# KiCad board keyboard.kicad_pcb (continued)
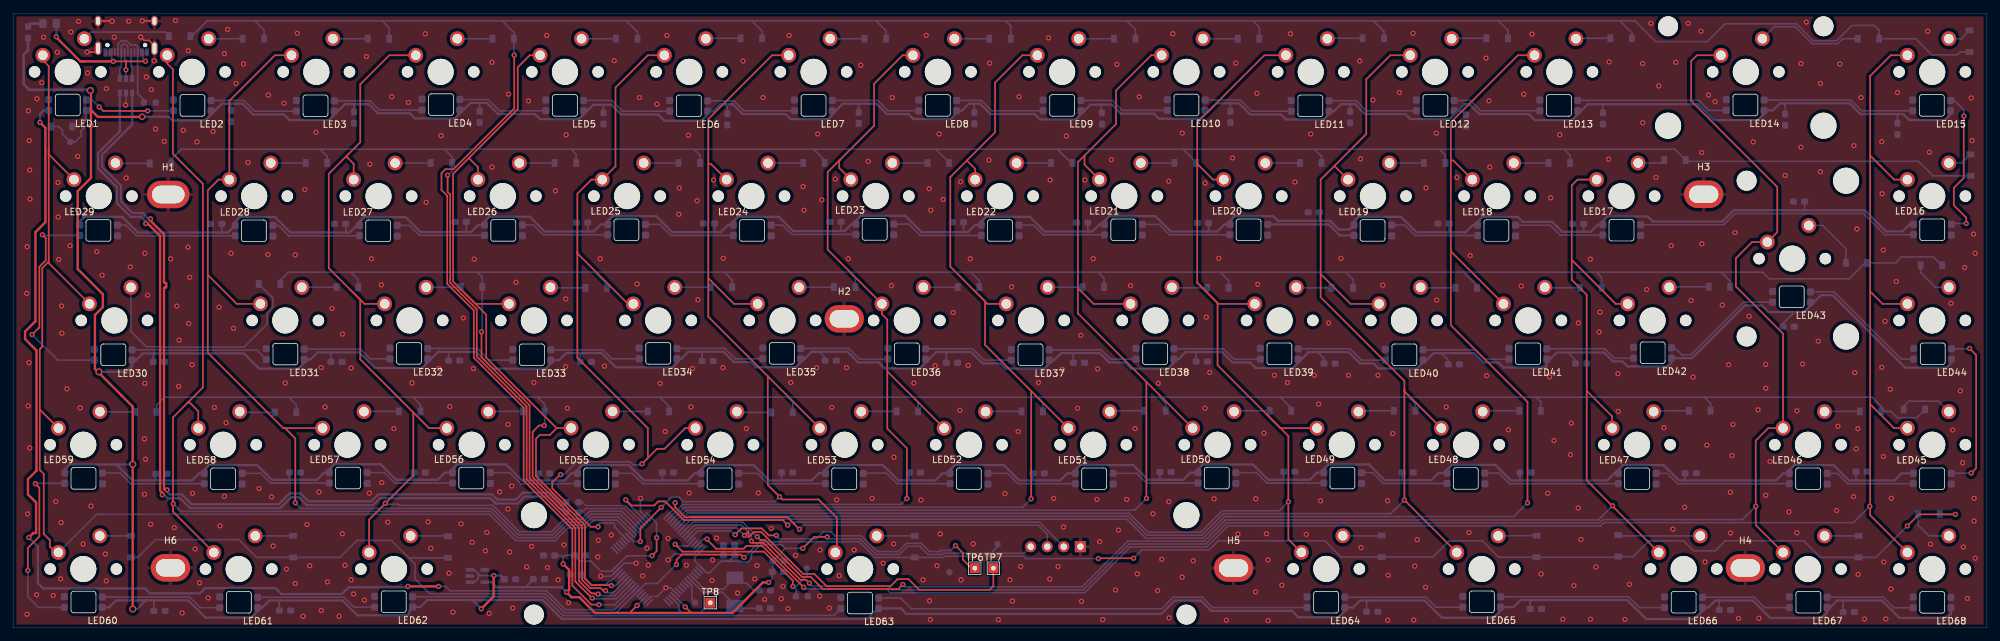
[diagram p0: board, top side]
## Routing (per net, layer and track width the routed paths; a pad name or vN(x,y) marks a point on that pad's centre or on a via; arc(x,y) is an arc through that point) (continued)
BOOT0: length 30
  Top w0.25: v1(119.51,6.36) 119.51,7.25 115.06,11.7 102.59,11.7 v1(101.47,12.81)
  Bottom w0.25: R4.2 120.02,4.89 120.02,5.85 v1(119.51,6.36) 120.02,6.36 121.64,7.98 TP2.1 ; U3.60 103.36,12.56 101.73,12.56 v1(101.47,12.81)
col0: length 192
  Top w0.25: 5.46,73.42 5.46,72.59 K_15.1 ; 5.46,73.42 5.46,86.12 4.57,87.01 4.57,87.77 ; 5.46,73.42 5.46,56.15 ; 4.1,33.48 4.1,42.72 4.48,43.11 4.48,55.17 5.46,56.15 ; 4.1,33.48 4.1,24.21 4.71,23.6 4.71,14.4 5.65,13.46 5.65,12.47 6.55,11.57 K_59.1 ; 4.1,33.48 K_44.1 ; 5.46,56.15 5.46,55.92 K_30.1
  Bottom w0.25: K_59.1 12.8,17.41 73.02,17.41 77.04,13.39 83.08,13.39 85.01,15.32 87.73,15.32 88.94,16.53 92.53,16.53 U3.40
col1: length 163
  Top w0.25: K_1.1 23.62,86.5 24.51,85.61 24.51,72.66 29.08,68.08 29.08,36.84 26.8,34.56 ; v1(24.56,19.04) 24.51,19.09 24.51,19.52 ; 26.8,34.56 27.05,34.56 28.38,33.22 K_45.1 ; 26.8,34.56 24.51,32.27 24.51,19.52 ; 24.51,19.52 24.51,17.82 K_60.1
  Bottom w0.25: U3.41 92.79,16.98 88.75,16.98 87.55,15.77 84.83,15.77 82.9,13.84 77.22,13.84 73.21,17.86 25.74,17.86 v1(24.56,19.04)
col2: length 154.4
  Top w0.25: 41.4,30.62 29.85,42.18 29.85,54.11 ; 41.4,30.62 41.68,30.62 43.26,29.04 v1(43.26,19.19) ; 41.4,30.62 K_46.1 ; 29.85,54.11 29.85,67.07 31.5,68.72 K_16.1 33.15,80.78 40.13,87.77 K_2.1 ; 29.85,54.11 34.29,49.67 K_31.1
  Bottom w0.25: U3.42 93.05,17.43 88.56,17.43 87.36,16.22 84.64,16.22 82.71,14.29 77.41,14.29 73.39,18.31 44.13,18.31 v1(43.26,19.19)
col3: length 151.5
  Top w0.25: 51.69,51.83 53.85,49.67 K_32.1 ; 51.69,51.83 48.39,55.13 48.39,69.61 51.18,72.4 ; 51.69,51.83 53.21,50.3 53.21,41.16 61.34,33.03 ; 61.34,33.03 61.34,23.38 v1(57.06,19.1) 54.58,16.62 K_61.1 ; 61.34,33.03 63.75,30.62 K_47.1 ; 51.18,72.4 51.18,72.15 52.2,71.13 K_17.1 ; 51.18,72.4 53.21,74.43 53.21,83.32 57.66,87.77 K_3.1
  Bottom w0.25: U3.43 93.31,17.88 88.38,17.88 87.17,16.67 84.46,16.67 82.52,14.74 77.6,14.74 73.56,18.78 59.23,18.78 59.05,18.96 57.2,18.96 v1(57.06,19.1)
col4: length 119.3
  Top w0.25: v1(91.69,6.49) 91.62,6.56 88.7,6.56 87.64,7.62 87.64,15.75 80.14,23.26 80.14,28.99 80.72,29.58 82.27,29.58 83.31,30.62 ; 69.85,72.02 77.34,79.51 77.34,85.93 79.18,87.77 K_4.1 ; 69.85,72.02 71.25,70.62 K_18.1 ; 69.85,72.02 67.44,69.61 67.44,53.1 69.09,51.45 ; 69.09,51.45 70.87,49.67 K_33.1 ; 69.09,51.45 72.52,48.02 72.52,41.41 83.31,30.62 ; 83.31,30.62 85.53,30.62
  Bottom w0.25: U3.28 92.34,6.49 v1(91.69,6.49)
col5: length 128.6
  Top w0.25: 97.16,25.92 97.28,26.05 97.28,30.62 86.49,41.41 86.49,57.67 ; 97.16,25.92 98.68,27.44 99.82,27.44 103,30.62 K_49.1 ; 97.16,25.92 v1(96.4,25.16) ; K_5.1 97.28,87.77 92.33,82.82 92.33,70.75 K_19.1 88.65,68.72 86.49,66.56 86.49,57.67 ; 86.49,57.67 86.49,57.42 94.23,49.67 K_34.1 ; v1(89.66,15.51) 88.53,15.51 82.64,21.39 82.64,22.31 83.83,23.5 v1(83.92,23.5)
  Bottom w0.25: U3.38 92.2,15.45 92.2,15.89 92.01,16.08 89.92,16.08 89.66,15.82 v1(89.66,15.51) ; v1(83.92,23.5) 83.94,23.5 83.96,23.48 84.4,23.48 86.38,25.46 94.56,25.46 95.04,24.98 96.22,24.98 v1(96.4,25.16)
col6: length 146.6
  Top w0.25: v1(99.34,18.47) 96.14,15.27 96.14,14.24 96.14,14.23 v1(96.14,13.25) ; 106.55,53.61 110.49,49.67 K_35.1 ; 106.55,53.61 106.55,71.13 ; 106.55,53.61 106.55,47.7 115.67,38.59 ; K_62.1 126.25,11.81 126.25,16.89 123.45,19.69 117.9,19.69 115.67,21.92 115.67,38.59 ; K_6.1 116.33,87.77 106.55,77.99 106.55,71.13 ; 115.67,38.59 K_50.1 ; K_20.1 106.93,71.13 106.55,71.13
  Bottom w0.25: U3.39 95.11,13.25 v1(96.14,13.25) ; v1(117.47,20.11) 116.73,19.37 102.76,19.37 102.1,20.03 100.9,20.03 v1(99.34,18.47)
col7: length 133.1
  Top w0.25: 133.99,39.32 133.99,30.54 136.98,27.55 v1(136.98,19.82) ; 133.99,39.32 K_51.1 ; 133.99,39.32 133.99,47.26 133.16,48.08 K_36.1 124.84,57.99 124.84,69.86 126.75,71.77 ; 126.75,71.77 131.95,76.97 131.95,83.39 136.33,87.77 K_7.1 ; 126.75,71.77 126.62,71.64 126.62,70.5 K_21.1
  Bottom w0.25: U3.50 102.65,18.92 126.54,18.92 126.55,18.94 136.09,18.94 v1(136.98,19.82)
col8: length 153.8
  Top w0.25: K_37.1 149.35,49.67 147.19,51.83 ; 156.04,36.31 K_52.1 ; 156.04,36.31 148.97,43.38 148.97,50.05 147.19,51.83 ; 156.04,36.31 156.04,19.8 v1(156.03,19.8) ; 146.18,71.64 147.45,70.37 K_22.1 ; 146.18,71.64 143.64,69.1 143.64,55.38 147.19,51.83 ; 146.18,71.64 150.5,75.96 150.5,83.58 154.69,87.77 K_8.1
  Bottom w0.25: U3.51 102.91,18.47 126.72,18.47 126.74,18.49 154.72,18.49 v1(156.03,19.8)
col9: length 176.2
  Top w0.25: 173.69,37.71 K_53.1 ; 173.69,37.71 173.69,19.87 v1(173.71,19.85) ; 173.69,37.71 163.2,48.21 163.2,52.08 ; 163.2,52.08 165.61,49.67 K_38.1 ; 163.2,52.08 163.2,71.39 164.21,72.4 ; K_23.1 164.21,71.01 164.21,72.4 ; K_9.1 174.43,87.77 169.04,82.37 169.04,77.23 164.21,72.4
  Bottom w0.25: U3.52 103.17,18.02 126.91,18.02 126.92,18.04 171.9,18.04 v1(173.71,19.85)
col10: length 212
  Top w0.25: 192.12,32.75 184.6,40.27 184.6,49.8 181.52,52.88 ; 192.12,32.75 194.25,30.62 K_54.1 ; 192.12,32.75 195.45,29.41 195.45,19.49 ; 181.48,71.13 181.48,77.48 191.77,87.77 K_10.1 ; 181.48,71.13 181.48,52.91 181.52,52.88 ; 181.48,71.13 183.9,68.72 K_24.1 ; 181.52,52.88 184.72,49.67 K_39.1 ; 195.45,19.49 v1(195.45,19.34) ; 195.45,19.49 195.45,13.57 197.45,11.57
  Bottom w0.25: v1(195.45,19.34) 194.08,17.97 185.32,17.97 182.02,14.67 173.94,14.67 171.04,17.57 103.42,17.57 U3.53
col11: length 229.8
  Top w0.25: K_11.1 211.07,87.77 207.39,84.09 207.39,75.7 202.56,70.88 ; K_40.1 204.98,49.67 200.4,54.25 ; K_64.1 v1(213.23,19.6) 213.23,36.59 ; K_25.1 202.56,70.75 202.56,70.88 ; 202.56,70.88 200.4,68.71 200.4,54.25 ; 213.23,36.59 213.23,36.27 K_55.1 ; 213.23,36.59 213.23,37.86 200.4,50.69 200.4,54.25
  Bottom w0.25: U3.54 103.68,17.12 170.85,17.12 173.75,14.22 182.2,14.22 185.5,17.52 211.13,17.52 211.74,18.13 211.76,18.13 v1(213.23,19.6)
col12: length 230.3
  Top w0.25: K_41.1 220.34,57.73 220.34,58 ; 220.34,71.64 220.73,71.64 K_26.1 ; 220.34,71.64 220.34,58 ; 220.34,71.64 220.34,77.48 230.63,87.77 K_12.1 ; 220.34,58 220.34,46.39 232.11,34.63 v1(232.11,19.19)
  Bottom w0.25: v1(232.11,19.19) 229.99,17.07 185.69,17.07 182.39,13.77 173.57,13.77 170.66,16.67 103.94,16.67 U3.55
col13: length 237.6
  Top w0.25: 245.11,18.68 241.17,22.62 241.17,36.33 ; 245.11,18.68 245.11,18.71 v1(245.14,18.73) ; 245.11,18.68 K_65.1 ; 238.89,56.4 238.89,67.83 239.78,68.72 K_27.1 ; 238.89,56.4 238.89,53.35 241.17,51.07 241.17,36.33 ; 238.89,56.4 245.62,49.67 K_42.1 ; 241.17,36.33 245.08,32.43 K_56.1 ; v1(114.05,13.98) 114.54,13.49 115.25,13.49 120.9,7.83 122.23,7.83 124.1,5.96 124.85,5.96 124.86,5.96 135.67,5.96 v1(136.37,6.67)
  Bottom w0.25: v1(245.14,18.73) 242.95,16.55 185.81,16.55 182.58,13.32 170.86,13.32 163.84,6.3 136.74,6.3 v1(136.37,6.67) ; U3.56 104.2,16.22 111.81,16.22 v1(114.05,13.98)
col14: length 272.1
  Top w0.25: K_13.1 258.06,87.77 257.17,86.88 257.17,80.78 270.38,67.58 270.38,60.67 K_28.1 266.52,59.14 264.03,56.65 264.03,52.34 271.27,45.1 K_57.1 268.99,30.62 267.08,28.71 v1(267.08,18.63) 267.08,15.76 K_66.1 ; v1(113.16,13.31) 113.43,13.04 114.99,13.04 120.65,7.38 121.54,7.38 v1(122.05,6.87)
  Bottom w0.25: v1(113.16,13.31) 113.16,14.23 111.62,15.77 104.45,15.77 U3.57 ; v1(122.05,6.87) 122.49,6.43 134.04,6.43 134.63,5.85 164.03,5.85 171.05,12.86 182.76,12.86 185.99,16.1 243.14,16.1 243.64,16.6 265.05,16.6 v1(267.08,18.63)
col15: length 293.2
  Top w0.25: 284.61,72.4 284.61,84.59 287.78,87.77 K_14.1 ; 284.61,72.4 288.29,68.72 K_29.1 ; 284.61,72.4 284.61,51.57 ; 284.61,34.3 284.61,18.68 ; 284.61,34.3 284.61,51.57 ; 284.61,34.3 288.29,30.62 K_58.1 ; 284.61,18.68 284.61,17.28 K_67.1 ; 284.61,18.68 v1(284.56,18.63) ; v1(106.35,13.63) 106.35,13.55 107.75,12.15 111.96,12.15 112.4,12.59 114.81,12.59 v1(121.16,6.24) ; 284.61,51.57 286.51,49.67 K_43.1
  Bottom w0.25: v1(121.16,6.24) 121.41,5.98 133.86,5.98 134.44,5.4 164.21,5.4 171.23,12.41 182.95,12.41 186.18,15.65 243.32,15.65 243.82,16.15 255.59,16.15 255.6,16.14 263.12,16.14 263.13,16.15 282.07,16.15 v1(284.56,18.63) ; v1(106.35,13.63) 105.81,13.63 104.64,12.46
D+: length 134.3
  Top w0.35: v1(23.61,21.16) 23.29,21.16 23.13,21.32 23.13,52.01 23.14,52.05 23.15,52.08 23.17,52.11 23.2,52.14 23.23,52.16 23.26,52.17 23.34,52.18 23.37,52.19 23.4,52.21 23.43,52.24 23.45,52.27 23.46,52.31 23.47,52.34 23.47,52.71 23.46,52.75 23.45,52.78 23.43,52.81 23.4,52.84 23.37,52.86 23.34,52.87 23.26,52.88 23.23,52.89 23.2,52.91 23.17,52.94 23.15,52.97 23.14,53.01 23.13,53.04 23.13,60.33 21.07,62.4 v1(21.07,62.71)
  Bottom w0.35: R3.1 84.35,18.8 84.15,18.8 82.22,20.73 78.13,20.73 77.07,19.67 74.23,19.67 74.01,19.88 73.42,20.48 55.98,20.48 54.92,19.41 45.26,19.41 44.04,20.63 42.37,20.63 40.7,18.96 27.38,18.96 25.86,20.48 23.97,20.48 23.61,20.84 v1(23.61,21.16) ; U1.1 18.26,77.16 13.63,72.53 13.63,70.7 16.53,67.8 16.53,65.36 18.29,63.61 19.86,63.61 20.75,62.71 v1(21.07,62.71)
D-: length 134.4
  Top w0.35: v1(20.33,61.97) 20.65,61.97 22.53,60.09 22.53,21.07 22.87,20.74 v1(22.87,20.42)
  Bottom w0.35: R2.2 84.35,18.2 83.9,18.2 81.97,20.13 78.38,20.13 77.31,19.07 73.98,19.07 73.77,19.28 73.17,19.88 56.23,19.88 55.16,18.81 45.01,18.81 43.79,20.03 42.62,20.03 40.95,18.36 27.13,18.36 25.61,19.88 23.73,19.88 23.19,20.42 v1(22.87,20.42) ; v1(20.33,61.97) 20.33,62.29 19.61,63.01 18.04,63.01 15.93,65.11 15.93,67.55 13.04,70.45 13.04,72.78 16.36,76.11 U1.3
LED-IN: length 174.4
  Top w0.35: v1(4.13,77.48) 4.96,76.65 4.96,62.19 3.43,60.65 3.43,47 1.84,45.41 1.84,44.27 3.6,42.52 3.6,24.12 2.29,22.81 2.29,20.46 3.53,19.21 3.53,14.55 3.11,14.55 v1(2.41,13.86) ; v1(60.52,6.36) v1(65.21,6.36)
  Bottom w0.25: v1(65.21,6.36) 66.32,6.36 66.99,5.69 81.77,5.69 84.65,2.81 92.2,2.81 U3.23
  Bottom w0.35: LED1.3 4.7,79.32 4.13,78.75 v1(4.13,77.48) ; v1(60.52,6.36) 60.39,6.24 51.43,6.24 50.4,5.2 41.11,5.2 40.2,6.11 29.45,6.11 28.64,5.3 21,5.3 20.24,6.06 4.62,6.06 3.81,6.87 3.81,12.46 v1(2.41,13.86)
MCU-D+: length 11.1
  Bottom w0.2: U3.45 96.42,16.15 93.81,18.75 87.76,18.75 87.22,19.29 R3.2
MCU-D-: length 10.7
  Bottom w0.2: R2.1 87.17,17.72 87.76,18.3 93.62,18.3 96.1,15.83 U3.44
NRST: length 3.6
  Bottom w0.25: U3.7 103.42,7.06 104.06,6.41 104.06,4.33 TP3.1
OSC_IN: length 12.5
  Bottom w0.25: C70.1 113.51,5.75 112.34,6.92 111.38,6.92 Y1.1 108.88,5.94 108.87,5.95 105.94,5.95 U3.5
OSC_OUT: length 11.9
  Bottom w0.25: C71.1 111.07,3.01 ; U3.6 105.69,5.5 108.69,5.5 110.62,3.57 Y1.2
row0: length 429.6
  Top w0.25: v1(76.81,87.79) 76.81,79.62 67.51,70.32 66.27,70.32 65.66,69.71 65.66,67.12 66.52,66.26 66.53,66.26 66.54,66.25 66.54,52.73 70.62,48.65 70.62,41.4 78.25,33.77 78.25,22.6 85.72,15.12 85.72,6.49 88.65,3.57 v1(89.79,3.57)
  Bottom w0.25: D_6.1 133.79,91.52 132.27,93.04 ; 94.04,93.04 94.04,92.98 95.69,91.33 D_4.1 ; 94.04,93.04 113.22,93.04 ; 94.04,93.04 74.99,93.04 ; 152.15,93.04 170.69,93.04 ; 152.15,93.04 132.27,93.04 ; 152.15,93.04 152.91,92.28 D_7.1 ; 170.69,93.04 172.02,91.71 D_8.1 ; 170.69,93.04 189.99,93.04 ; 189.99,93.04 208.47,93.04 ; 189.99,93.04 191.01,92.03 D_9.1 ; 208.47,93.04 210.12,91.39 D_10.1 ; 208.47,93.04 227.65,93.04 ; D_12.1 248.09,91.2 246.25,93.04 ; 56.58,93.04 74.99,93.04 ; 56.58,93.04 37.08,93.04 ; 56.58,93.04 57.66,91.96 D_2.1 ; 74.99,93.04 76.77,91.26 D_3.1 76.77,87.83 v1(76.81,87.79) ; 227.65,93.04 246.25,93.04 ; 227.65,93.04 229.11,91.58 D_11.1 ; 113.22,93.04 132.27,93.04 ; 113.22,93.04 114.81,91.45 D_5.1 ; 37.08,93.04 29.72,93.04 27.37,90.69 27.3,90.69 ; 37.08,93.04 38.48,91.64 D_1.1 ; U3.24 92.25,3.57 v1(89.79,3.57) ; 246.25,93.04 248.6,93.04 251.78,89.86 259.65,89.86 262.38,92.6 273.3,92.6 275.91,89.99 279.46,89.99 281.81,92.34 285.24,92.34 286,91.58 D_13.1 291.59,90.31 294.07,87.83 297.94,87.83 298.39,88.28 D_14.1
row1: length 391.2
  Top w0.25: v1(88.77,4.58) 88.72,4.58 86.18,7.12 86.18,15.31 78.7,22.78 78.7,33.95 71.07,41.59 71.07,48.83 66.99,52.91 66.99,66.43 66.6,66.82 v1(66.6,69.38)
  Bottom w0.25: D_24.1 200.53,72.3 199.47,73.37 ; 237.69,73.37 254.68,73.37 D_27.1 256.53,71.51 292.04,71.51 294.26,69.29 D_29.1 ; 237.69,73.37 218.58,73.37 ; 237.69,73.37 238.63,72.43 D_26.1 ; 199.47,73.37 218.58,73.37 ; 199.47,73.37 179.31,73.37 ; 218.58,73.37 219.52,72.43 D_25.1 ; v1(66.6,69.38) 67.31,70.09 67.31,72.17 66.12,73.37 ; D_22.1 162.18,71.26 160.07,73.37 ; D_21.1 143.44,71.35 141.43,73.37 ; 179.31,73.37 181.29,71.39 D_23.1 ; 179.31,73.37 160.07,73.37 ; 160.07,73.37 141.43,73.37 ; D_15.1 24.26,71.83 25.79,73.37 47.04,73.37 ; 141.43,73.37 122.7,73.37 ; 47.04,73.37 48.13,72.28 D_16.1 ; 47.04,73.37 66.12,73.37 ; D_19.1 105.28,72.43 104.34,73.37 ; 85.52,73.37 86.29,72.59 D_18.1 ; 85.52,73.37 66.12,73.37 ; 85.52,73.37 104.34,73.37 ; 122.7,73.37 124.4,71.67 D_20.1 ; 122.7,73.37 104.34,73.37 ; v1(88.77,4.58) 88.9,4.46 92.43,4.46 U3.25
row2: length 354.1
  Top w0.25: v1(89.67,5.18) 89.2,5.18 89.07,5.31 88.63,5.31 86.74,7.19 86.74,15.38 79.15,22.97 79.15,34.14 71.79,41.5 v1(71.79,45.4)
  Bottom w0.25: D_42.1 263.17,53.15 261.8,54.52 ; 242.65,54.52 243.46,53.71 D_41.1 ; 242.65,54.52 222.33,54.52 ; 242.65,54.52 261.8,54.52 ; D_33.1 91.03,52.67 89.18,54.52 ; D_39.1 205.36,53.4 204.24,54.52 ; 109.04,54.52 110.21,53.35 D_34.1 ; 109.04,54.52 128.19,54.52 ; 109.04,54.52 89.18,54.52 ; 222.33,54.52 204.24,54.52 ; 222.33,54.52 224.36,52.49 D_40.1 ; D_38.1 186.31,53.25 185.04,54.52 ; 166.29,54.52 167.21,53.61 D_37.1 ; 166.29,54.52 185.04,54.52 ; 166.29,54.52 146.79,54.52 ; D_43.1 295.58,55.59 294.31,56.86 289.43,56.86 288.52,55.94 D_28.1 283.79,55.94 281.36,53.5 269.16,53.5 268.15,54.52 261.8,54.52 ; D_30.1 40.96,53.29 42.19,54.52 53.12,54.52 ; 185.04,54.52 204.24,54.52 ; 71.15,54.52 71.91,53.76 D_32.1 71.91,45.52 v1(71.79,45.4) ; 71.15,54.52 89.18,54.52 ; 71.15,54.52 53.12,54.52 ; 128.19,54.52 146.79,54.52 ; 128.19,54.52 129.11,53.61 D_35.1 ; 146.79,54.52 148.08,53.23 D_36.1 ; D_31.1 52.91,53.35 51.74,54.52 53.12,54.52 ; U3.26 92.23,4.97 89.88,4.97 v1(89.67,5.18)
row3: length 344.9
  Top w0.25: v1(81.41,31.03) 80.59,31.03 79.63,30.06 79.63,23.13 87.19,15.57 87.19,7.38 88.46,6.11 90.05,6.11 90.44,5.73 v1(90.81,5.73)
  Bottom w0.25: 213.89,35.37 233.4,35.37 ; 213.89,35.37 194.23,35.37 ; 213.89,35.37 214.93,34.33 D_54.1 ; 233.4,35.37 234.14,34.63 D_55.1 ; 233.4,35.37 259.21,35.37 ; 175.69,35.37 176.66,34.4 D_52.1 ; 175.69,35.37 194.23,35.37 ; 175.69,35.37 156.95,35.37 ; D_45.1 43.41,34.2 42.24,35.37 ; D_53.1 195.88,33.72 194.23,35.37 ; 118.75,35.37 137.74,35.37 ; 118.75,35.37 99.14,35.37 ; 118.75,35.37 119.51,34.61 D_49.1 ; 137.74,35.37 137.95,35.37 138.71,34.61 D_50.1 ; 137.74,35.37 156.95,35.37 ; 156.95,35.37 157.83,34.48 D_51.1 ; 61.29,35.37 62.43,34.23 D_46.1 ; 61.29,35.37 80.39,35.37 ; 61.29,35.37 42.24,35.37 ; 99.14,35.37 100.56,33.95 D_48.1 ; 99.14,35.37 80.39,35.37 ; v1(81.41,31.03) 81.46,31.08 D_47.1 81.46,34.3 80.39,35.37 ; v1(90.81,5.73) 91.12,5.42 91.98,5.42 U3.27 ; 42.24,35.37 23.19,35.37 22,34.17 D_44.1 ; 259.21,35.37 260.15,34.43 D_56.1 ; 259.21,35.37 284.91,35.37 286.33,33.95 D_57.1 287.81,33.18 288.77,32.22 291.77,32.22 D_58.1
row4: length 314.1
  Top w0.25: v1(297.69,17.41) 292.1,17.41 v1(290.32,15.63) ; v1(112.01,10.81) 111.58,11.25 102.5,11.25 101.68,10.43 v1(101.68,9.71) ; v1(166.34,10.63) 166.4,10.68 v1(171.73,10.68)
  Bottom w0.25: v1(166.34,10.63) 155.22,10.63 154.86,10.99 142.82,10.99 142.64,10.81 D_62.1 132.08,10.81 129.67,13.22 114.43,13.22 v1(112.01,10.81) ; D_67.1 295.35,17.41 v1(297.69,17.41) ; v1(171.73,10.68) 173.01,11.96 183.33,11.96 184.71,13.35 201.04,13.35 203.52,10.87 D_63.1 217.61,10.87 220.09,13.35 225.17,13.35 227.68,10.83 D_64.1 245.9,10.83 D_65.1 248.28,10.93 250.7,13.35 256.03,13.35 257.56,11.82 260.86,11.82 262.38,13.35 274.45,13.35 276.99,10.81 D_66.1 285.5,10.81 v1(290.32,15.63) ; 60.64,10.74 57.98,13.41 52.71,13.41 50.1,10.81 D_60.1 37.34,10.81 34.61,13.54 21.84,13.54 19.12,10.81 D_59.1 ; 60.64,10.74 60.71,10.68 60.73,10.68 61.6,9.82 61.6,7.53 63.89,5.24 81.59,5.24 84.47,2.36 92.45,2.36 U3.22 96.92,6.82 98.73,6.82 101.63,9.71 v1(101.68,9.71) ; 60.64,10.74 D_61.1
SCL: length 56.9
  Top w0.25: v1(112.09,14.19) 112.7,14.79 112.7,13.88 113.53,14.71 114.66,14.71 121.09,8.28 122.81,8.28 124.67,6.41 134.49,6.41 135.56,7.48 137.24,7.48 138.86,5.85 149.68,5.85 150.24,6.41 TP7.1
  Bottom w0.25: v1(112.09,14.19) 110.95,15.32 104.71,15.32 U3.58
SDA: length 50.6
  Top w0.25: TP6.1 146.89,9.16 145.57,10.48 145.57,11.49 v1(144.45,12.61) ; v1(116.97,14.19) 115.82,14.19 114.75,15.25 111.63,15.25 v1(110.67,14.29)
  Bottom w0.25: U3.59 104.97,14.87 109.98,14.87 110.57,14.29 v1(110.67,14.29) ; v1(144.45,12.61) 143.73,11.89 142.2,11.89 142.01,11.71 140.42,11.71 139.16,12.97 136.91,12.97 135.65,11.71 132.45,11.71 130.04,14.12 128.13,14.12 125.92,14.12 125.3,14.74 124.18,14.74 123.11,13.67 117.38,13.67 116.97,14.08 v1(116.97,14.19)
SWCLK: length 64.4
  Top w0.25: v1(120.52,15.12) 119.63,16.01 119.63,16.04 118.71,16.97 103,16.97 101.47,18.5 v1(101.47,19.19)
  Bottom w0.25: U3.49 101.47,18.45 v1(101.47,19.19) ; J2.3 158.5,14.36 157.1,15.76 121.16,15.76 v1(120.52,15.12)
SWDIO: length 75.4
  Top w0.25: v1(118.74,15.76) 117.97,16.52 102.81,16.52 99.94,19.39 98.89,19.39 98.27,18.77 94.77,18.77 v1(93.9,19.64)
  Bottom w0.25: U3.46 93.9,19.41 v1(93.9,19.64) ; v1(118.74,15.76) 119.2,16.22 157.27,16.22 J2.2
TIM2_1: length 7.9
  Bottom w0.25: TP8.1 105.34,2.36 102.43,2.36 102.03,2.76 102.03,3.5 U3.14
VCAP: length 7.2
  Bottom w0.25: U3.30 91.65,7.21 91.39,7.21 90.74,6.57 88.57,6.57 87.12,8.01
Net-(D1-Pad2): length 2.5
  Bottom w0.425: D1.2 2.77,92.63 F1.2
Net-(D_0-Pad2): length 13.8
  Bottom w0.25: K_0.2 11.94,91.33 23.37,91.33 24.01,90.69
Net-(D_1-Pad2): length 5.2
  Bottom w0.25: K_1.2 D_1.2
Net-(D_2-Pad2): length 5.3
  Bottom w0.25: 49.02,90.31 D_2.2
Net-(D_3-Pad2): length 5.4
  Bottom w0.25: K_3.2 D_3.2
Net-(D_4-Pad2): length 5.3
  Bottom w0.25: D_4.2 K_4.2
Net-(D_5-Pad2): length 5.4
  Bottom w0.25: K_5.2 106.24,90.37 D_5.2
Net-(D_6-Pad2): length 5.3
  Bottom w0.25: D_6.2 K_6.2
Net-(D_7-Pad2): length 5.3
  Bottom w0.25: D_7.2 144.27,90.31
Net-(D_8-Pad2): length 5.4
  Bottom w0.25: D_8.2 K_8.2
Net-(D_9-Pad2): length 5.3
  Bottom w0.25: D_9.2 K_9.2
Net-(D_10-Pad2): length 5.4
  Bottom w0.25: D_10.2 201.49,90.37 K_10.2
Net-(D_11-Pad2): length 5.4
  Bottom w0.25: K_11.2 220.54,90.37 D_11.2
Net-(D_12-Pad2): length 5.3
  Bottom w0.25: D_12.2 239.59,90.37 K_12.2
Net-(D_13-Pad2): length 16.8
  Bottom w0.25: K_13.2 269.93,92.14 273.12,92.14 275.72,89.54 279.65,89.54 280.42,90.31 D_13.2
Net-(D_14-Pad2): length 3.7
  Bottom w0.25: D_14.2 298.58,90.31 K_14.2
Net-(D_15-Pad2): length 5.3
  Bottom w0.25: K_15.2 15.75,71.2 D_15.2
Net-(D_16-Pad2): length 5.3
  Bottom w0.25: D_16.2 K_16.2
Net-(D_17-Pad2): length 5.5
  Bottom w0.25: D_17.2 K_17.2
Net-(D_18-Pad2): length 5.4
  Bottom w0.25: K_18.2 D_18.2
Net-(D_19-Pad2): length 5.3
  Bottom w0.25: D_19.2 K_19.2
Net-(D_20-Pad2): length 5.4
  Bottom w0.25: D_20.2 K_20.2
Net-(D_21-Pad2): length 5.4
  Bottom w0.25: D_21.2 K_21.2
Net-(D_22-Pad2): length 5.3
  Bottom w0.25: D_22.2 K_22.2
Net-(D_23-Pad2): length 5.1
  Bottom w0.25: D_23.2 K_23.2
Net-(D_24-Pad2): length 5.3
  Bottom w0.25: D_24.2 K_24.2
Net-(D_25-Pad2): length 5.3
  Bottom w0.25: D_25.2 K_25.2
Net-(D_26-Pad2): length 5.3
  Bottom w0.25: D_26.2 K_26.2
Net-(D_27-Pad2): length 4.2
  Bottom w0.25: K_27.2 252.61,71.26 D_27.2
Net-(D_28-Pad2): length 9.3
  Bottom w0.25: K_28.2 277.34,61.68 280.9,58.13 D_28.2
Net-(D_29-Pad2): length 3.9
  Bottom w0.25: D_29.2 298.64,71.26 K_29.2
Net-(D_30-Pad2): length 37.5
  Bottom w0.25: D_30.2 39.81,50.56 39.81,49.16 38.93,48.27 38.93,46.56 35.39,43.03 23.3,43.03 23.24,43.08 20.43,43.08 18.07,45.45 K_30.2
Net-(D_31-Pad2): length 5.4
  Bottom w0.25: D_31.2 44.28,52.23 K_31.2
Net-(D_32-Pad2): length 5.3
  Bottom w0.25: K_32.2 68.53,52.21 D_32.2
Net-(D_33-Pad2): length 5.4
  Bottom w0.25: K_33.2 82.44,52.13 D_33.2
Net-(D_34-Pad2): length 5.5
  Bottom w0.25: D_34.2 101.43,52.23 K_34.2
Net-(D_35-Pad2): length 5.4
  Bottom w0.25: K_35.2 120.48,52.23 D_35.2
Net-(D_36-Pad2): length 5.3
  Bottom w0.25: K_36.2 139.53,52.23 D_36.2
Net-(D_37-Pad2): length 5.4
  Bottom w0.25: K_37.2 158.58,52.23 D_37.2
Net-(D_38-Pad2): length 5.4
  Bottom w0.25: D_38.2 177.69,52.13 K_38.2
Net-(D_39-Pad2): length 5.4
  Bottom w0.25: D_39.2 196.74,52.13 K_39.2
Net-(D_40-Pad2): length 5.4
  Bottom w0.25: K_40.2 215.79,52.13 D_40.2
Net-(D_41-Pad2): length 5.4
  Bottom w0.25: K_41.2 234.84,52.13 D_41.2
Net-(D_42-Pad2): length 6.1
  Bottom w0.25: D_42.2 253.89,52.29 K_42.2
Net-(D_43-Pad2): length 6.4
  Bottom w0.25: D_43.2 292.35,54.49 294.64,52.21 K_43.2
Net-(D_44-Pad2): length 5.4
  Bottom w0.25: K_44.2 13.35,33.11 D_44.2
Net-(D_45-Pad2): length 5.4
  Bottom w0.25: D_45.2 34.86,33.03 K_45.2
Net-(D_46-Pad2): length 5.4
  Bottom w0.25: K_46.2 53.81,33.18 D_46.2
Net-(D_47-Pad2): length 5.3
  Bottom w0.25: K_47.2 72.86,33.18 D_47.2
Net-(D_48-Pad2): length 5.4
  Bottom w0.25: D_48.2 91.91,33.18 91.88,33.16
Net-(D_49-Pad2): length 5.3
  Bottom w0.25: K_49.2 111.06,33.03 D_49.2
Net-(D_50-Pad2): length 5.4
  Bottom w0.25: D_50.2 130.01,33.18 K_50.2
Net-(D_51-Pad2): length 5.5
  Bottom w0.25: K_51.2 149.06,33.18 D_51.2
Net-(D_52-Pad2): length 5.3
  Bottom w0.25: D_52.2 168.21,33.29 K_52.2
Net-(D_53-Pad2): length 5.5
  Bottom w0.25: K_53.2 187.26,33.29 D_53.2
Net-(D_54-Pad2): length 5.5
  Bottom w0.25: K_54.2 206.31,33.29 D_54.2
Net-(D_55-Pad2): length 5.7
  Bottom w0.25: K_55.2 225.36,33.29 D_55.2
Net-(D_56-Pad2): length 5.5
  Bottom w0.25: K_56.2 251.56,33.29 D_56.2
Net-(D_57-Pad2): length 5.4
  Bottom w0.25: 277.62,33.16 277.65,33.18 D_57.2
Net-(D_58-Pad2): length 8.4
  Bottom w0.25: D_58.2 289.74,33.95 290.55,34.76 295.07,34.76 K_58.2
Net-(D_59-Pad2): length 4.8
  Bottom w0.25: 13.3,14.11 D_59.2
Net-(D_60-Pad2): length 5.8
  Bottom w0.25: 37.12,14.11 D_60.2
Net-(D_61-Pad2): length 5.8
  Bottom w0.25: 60.93,14.11 66.61,14.11 D_61.2
Net-(D_62-Pad2): length 5.8
  Bottom w0.25: D_62.2 138.18,14.11 132.37,14.11
Net-(D_63-Pad2): length 6
  Bottom w0.25: 203.8,14.11 209.68,14.11 D_63.2
Net-(D_64-Pad2): length 5.9
  Bottom w0.25: 227.62,14.11 227.64,14.13 D_64.2
Net-(D_65-Pad2): length 12.6
  Bottom w0.25: D_65.2 246.12,14.11 258.57,14.11
Net-(D_66-Pad2): length 5.2
  Bottom w0.25: 277.62,14.11 D_66.2
Net-(D_67-Pad2): length 7.1
  Bottom w0.25: D_67.2 291.97,15.76 293.62,14.11 296.67,14.11
Net-(D_71-Pad1): length 3.5
  Bottom w0.25: D_71.1 10.22,76.85 11.24,77.87 11.24,78.82
Net-(J1-PadA5): length 13.8
  Bottom w0.25: J1.A5 16.1,89.53 16.52,89.95 17.43,89.95 18.04,89.34 18.86,89.34 19.1,89.1 J1.B5 19.1,81.91 20.05,80.95 R1.2
Net-(J1-PadA6): length 6.3
  Bottom w0.25: J1.A6 17.1,87.22 17.45,86.87 18.1,86.87 ; J1.B6 18.1,86.87 ; 18.1,86.87 18.1,86.06 18.26,85.89 U1.6
Net-(J1-PadA7): length 7.2
  Bottom w0.25: J1.A7 17.6,89.1 17.2,89.5 16.95,89.5 16.6,89.15 J1.B7 16.6,85.87 16.36,85.64 U1.4
Net-(LED1-Pad1): length 14
  Top w0.25: v1(20.62,79.23) 13.82,79.23 v1(13.21,79.84)
  Bottom w0.25: LED1.1 12.14,80.91 v1(13.21,79.84) ; v1(20.62,79.23) 20.65,79.26 LED2.3
Net-(LED2-Pad1): length 13.8
  Bottom w0.25: LED2.1 35.37,80.85 37.02,79.2 LED3.3
Net-(LED3-Pad1): length 14
  Bottom w0.25: 62.67,79.39 56.13,79.39 54.74,80.78 LED3.1
Net-(LED4-Pad1): length 13.9
  Bottom w0.25: LED4.1 72.83,80.97 74.55,79.26 LED5.3
Net-(LED5-Pad1): length 13.9
  Bottom w0.25: LED5.1 91.76,80.85 93.41,79.2 LED6.3
Net-(LED6-Pad1): length 14
  Bottom w0.25: LED6.1 110.49,80.78 112.01,79.26 LED7.3
Net-(LED7-Pad1): length 13.9
  Bottom w0.25: LED7.1 132.52,80.85 134.11,79.26 LED8.3
Net-(LED8-Pad1): length 13.9
  Bottom w0.25: LED9.3 149.99,79.26 148.4,80.85 LED8.1
Net-(LED10-Pad1): length 13.9
  Bottom w0.25: LED10.1 188.09,80.91 189.8,79.2 LED11.3
Net-(LED10-Pad3): length 13.9
  Bottom w0.25: LED10.3 169.99,79.32 168.47,80.85 LED9.1
Net-(LED11-Pad1): length 14
  Bottom w0.25: LED12.3 207.39,79.26 205.87,80.78 201.68,80.78
Net-(LED12-Pad1): length 13.8
  Bottom w0.25: LED13.3 224.92,79.26 223.33,80.85 LED12.1
Net-(LED13-Pad1): length 23.4
  Bottom w0.25: LED14.3 259.91,79.32 258.38,80.85 LED13.1
Net-(LED14-Pad1): length 23.5
  Bottom w0.25: LED15.3 283.34,79.26 281.69,80.91 LED14.1
Net-(LED15-Pad1): length 23.8
  Top w0.25: v1(298.98,78.45) 298.96,78.42 298.96,68.97 297.43,67.45 297.43,64.78 299.34,62.88 v1(299.34,61.99)
  Bottom w0.25: v1(299.34,61.99) 297.18,61.99 LED16.3 ; LED15.1 297.5,80.85 298.96,79.39 298.96,78.47 v1(298.98,78.45)
Net-(LED16-Pad1): length 43.9
  Bottom w0.25: LED16.1 286.83,60.27 283.59,63.51 263.91,63.51 262.19,61.8 LED17.3
Net-(LED17-Pad1): length 14
  Bottom w0.25: LED17.1 237.11,60.21 235.59,61.73 LED18.3
Net-(LED18-Pad1): length 13.9
  Bottom w0.25: LED18.1 214.87,60.15 213.27,61.75 LED19.3
Net-(LED19-Pad1): length 13.9
  Bottom w0.35: LED20.3 201.64,61.85 203.33,60.16 LED19.1
Net-(LED20-Pad1): length 14.1
  Bottom w0.25: LED20.1 177.22,60.26 175.63,61.85 LED21.3
Net-(LED21-Pad1): length 13.7
  Bottom w0.25: LED22.3 156.38,61.75 157.86,60.26 LED21.1
Net-(LED22-Pad1): length 14.1
  Bottom w0.25: LED22.1 139.01,60.16 137.27,61.9 LED23.3
Net-(LED23-Pad1): length 13.6
  Bottom w0.25: LED23.1 119.35,60.31 117.92,61.75 LED24.3
Net-(LED24-Pad1): length 14.2
  Bottom w0.25: LED25.3 99.12,61.85 100.81,60.16 LED24.1
Net-(LED25-Pad1): length 13.7
  Bottom w0.25: LED25.1 81.25,60.26 79.76,61.76 LED26.3
Net-(LED26-Pad1): length 14
  Bottom w0.25: LED27.3 60.72,61.7 62.24,60.17 LED26.1
Net-(LED27-Pad1): length 13.9
  Bottom w0.25: LED28.3 40.65,61.7 42.24,60.11 LED27.1
Net-(LED28-Pad1): length 18.7
  Bottom w0.25: LED29.3 17.28,61.75 18.92,60.11 LED28.1
Net-(LED29-Pad1): length 33.5
  Top w0.25: v1(4.5,60.26) 5.01,59.75 5.01,56.33 4.03,55.35 4.03,46.08 3.81,45.86 ; 3.94,45.99 3.81,45.86 ; 3.81,45.86 v1(2.92,44.97)
  Bottom w0.25: LED30.3 6.85,41.05 v1(2.92,44.97) ; LED29.1 4.6,60.16 v1(4.5,60.26)
Net-(LED30-Pad1): length 21.2
  Bottom w0.25: LED30.1 23.06,42.63 23.11,42.58 37.38,42.58 LED31.3
Net-(LED31-Pad1): length 13.8
  Bottom w0.25: LED32.3 54.75,41.25 53.26,42.73 LED31.1
Net-(LED32-Pad1): length 13.8
  Bottom w0.25: LED33.3 72.94,41.05 71.15,42.84 LED32.1
Net-(LED33-Pad1): length 14.1
  Bottom w0.25: LED34.3 91.78,41.25 90.4,42.63 LED33.1
Net-(LED34-Pad1): length 13.8
  Bottom w0.25: LED34.1 109.09,42.84 110.68,41.25 LED35.3
Net-(LED35-Pad1): length 14.1
  Bottom w0.25: LED35.1 128.09,42.84 129.73,41.2 LED36.3
Net-(LED36-Pad1): length 13.9
  Bottom w0.25: LED37.3 148.78,41.05 147.04,42.79 LED36.1
Net-(LED37-Pad1): length 13.9
  Bottom w0.25: LED38.3 168.19,41.2 166.75,42.63 LED37.1
Net-(LED38-Pad1): length 13.9
  Bottom w0.25: LED38.1 185.5,42.79 187.08,41.2 LED39.3
Net-(LED39-Pad1): length 14.1
  Bottom w0.25: LED39.1 204.9,42.79 206.64,41.05 210.31,41.05
Net-(LED40-Pad1): length 13.8
  Bottom w0.25: LED41.3 225.54,41.2 224.1,42.63 LED40.1
Net-(LED41-Pad1): length 13.9
  Bottom w0.25: LED42.3 245.4,41.35 243.97,42.79 LED41.1
Net-(LED42-Pad1): length 19.3
  Bottom w0.25: LED42.1 254.69,42.94 255.78,41.85 257.11,41.85 265.18,49.92 269.67,49.92
Net-(LED43-Pad1): length 20.1
  Bottom w0.25: LED44.3 289.39,41.2 279.08,51.51 LED43.1
Net-(LED44-Pad1): length 25.7
  Top w0.25: v1(299.85,42.84) 300.86,41.82 300.86,24.5 v1(300.1,23.74)
  Bottom w0.25: LED45.3 297.07,23.74 v1(300.1,23.74) ; LED44.1 299.8,42.79 v1(299.85,42.84)
Net-(LED45-Pad1): length 13.9
  Bottom w0.25: LED45.1 281.15,22.11 279.57,23.7 LED46.3
Net-(LED46-Pad1): length 21.1
  Bottom w0.25: LED46.1 255.09,22.11 253.5,23.7 LED47.3
Net-(LED47-Pad1): length 21.1
  Bottom w0.25: LED47.1 229.34,22.11 227.71,23.74 LED48.3
Net-(LED48-Pad1): length 13.8
  Bottom w0.25: LED49.3 208.34,23.8 209.99,22.15 LED48.1
Net-(LED49-Pad1): length 14.1
  Bottom w0.25: LED49.1 192.15,22.21 190.56,23.8 LED50.3
Net-(LED50-Pad1): length 13.6
  Bottom w0.25: LED51.3 172.22,23.7 173.71,22.21 LED50.1
Net-(LED51-Pad1): length 14.1
  Bottom w0.25: LED52.3 152.41,23.7 154,22.11 LED51.1
Net-(LED52-Pad1): length 14
  Bottom w0.25: LED52.1 135.46,22.11 133.83,23.74 130.34,23.74 LED53.3
Net-(LED53-Pad1): length 14
  Bottom w0.25: LED53.1 115.65,22.11 114.06,23.7 LED54.3
Net-(LED54-Pad1): length 13.8
  Bottom w0.25: LED55.3 94.91,23.7 96.49,22.11 LED54.1
Net-(LED55-Pad1): length 14.1
  Bottom w0.25: LED55.1 77.8,22.11 76.11,23.8 LED56.3
Net-(LED56-Pad1): length 13.8
  Bottom w0.25: LED57.3 56.91,23.8 58.5,22.21 LED56.1
Net-(LED57-Pad1): length 14
  Bottom w0.25: LED58.3 37.96,23.7 39.45,22.21 LED57.1
Net-(LED58-Pad1): length 16.3
  Bottom w0.25: LED58.1 18.06,22.11 16.42,23.75 LED59.3
Net-(LED59-Pad1): length 29.1
  Top w0.25: v1(2.26,8.8) 2.26,12.25 4.03,14.03 4.03,21.51 v1(3.43,22.11)
  Bottom w0.25: v1(3.43,22.11) 3.48,22.16 LED59.1 ; LED60.3 3.9,3.15 2.26,4.79 v1(2.26,8.8)
Net-(LED60-Pad1): length 18.7
  Bottom w0.25: LED61.3 28.68,3.11 27.05,4.74 LED60.1
Net-(LED61-Pad1): length 18.6
  Bottom w0.25: LED61.1 50.71,4.7 52.21,3.2 LED62.3
Net-(LED62-Pad1): length 67.3
  Bottom w0.25: LED62.1 81.4,4.79 84.28,1.91 120.14,1.91 120.15,1.92 125.79,1.92 LED63.3
Net-(LED63-Pad1): length 67.7
  Bottom w0.25: LED63.1 136.02,4.58 137.67,2.93 176.02,2.93 177.8,4.71 182.25,4.71 183.83,3.12 LED64.3
Net-(LED64-Pad1): length 18.7
  Bottom w0.25: LED65.3 218.06,3.19 216.53,4.71 LED64.1
Net-(LED65-Pad1): length 25.8
  Bottom w0.25: LED66.3 249.24,3.12 247.59,4.77 LED65.1
Net-(LED66-Pad1): length 14
  Bottom w0.25: LED66.1 266.83,4.71 268.41,3.12 LED67.3
Net-(LED67-Pad1): length 13.9
  Bottom w0.25: LED67.1 286.64,4.71 288.25,3.1 LED68.3

## Copper pours and planes (outline as drawn; the poured copper is in the pictures)
GND on Top: 302.13,0.27 0.38,0.27 0.38,93.99 302.13,93.99
GND on Bottom: 302.13,0.27 0.38,0.27 0.38,93.99 302.13,93.99

## Text on the board
B.Silkscreen: 5V | 3.3V | SWCLK | SWDIO | GND
